# Altium PCB CPU-board-multi-rev.0.1.PcbDoc (part 3 of 3)
Units mil, origin at the board's own origin, x right, y up, seen from the top; angles counter-clockwise.
Board outline 3911 x 2585 mil, 6 copper layers (L1, L2, L3, L4, CommonGND, L5); 321 components, 264 nets, 1048 pads, 397 vias.
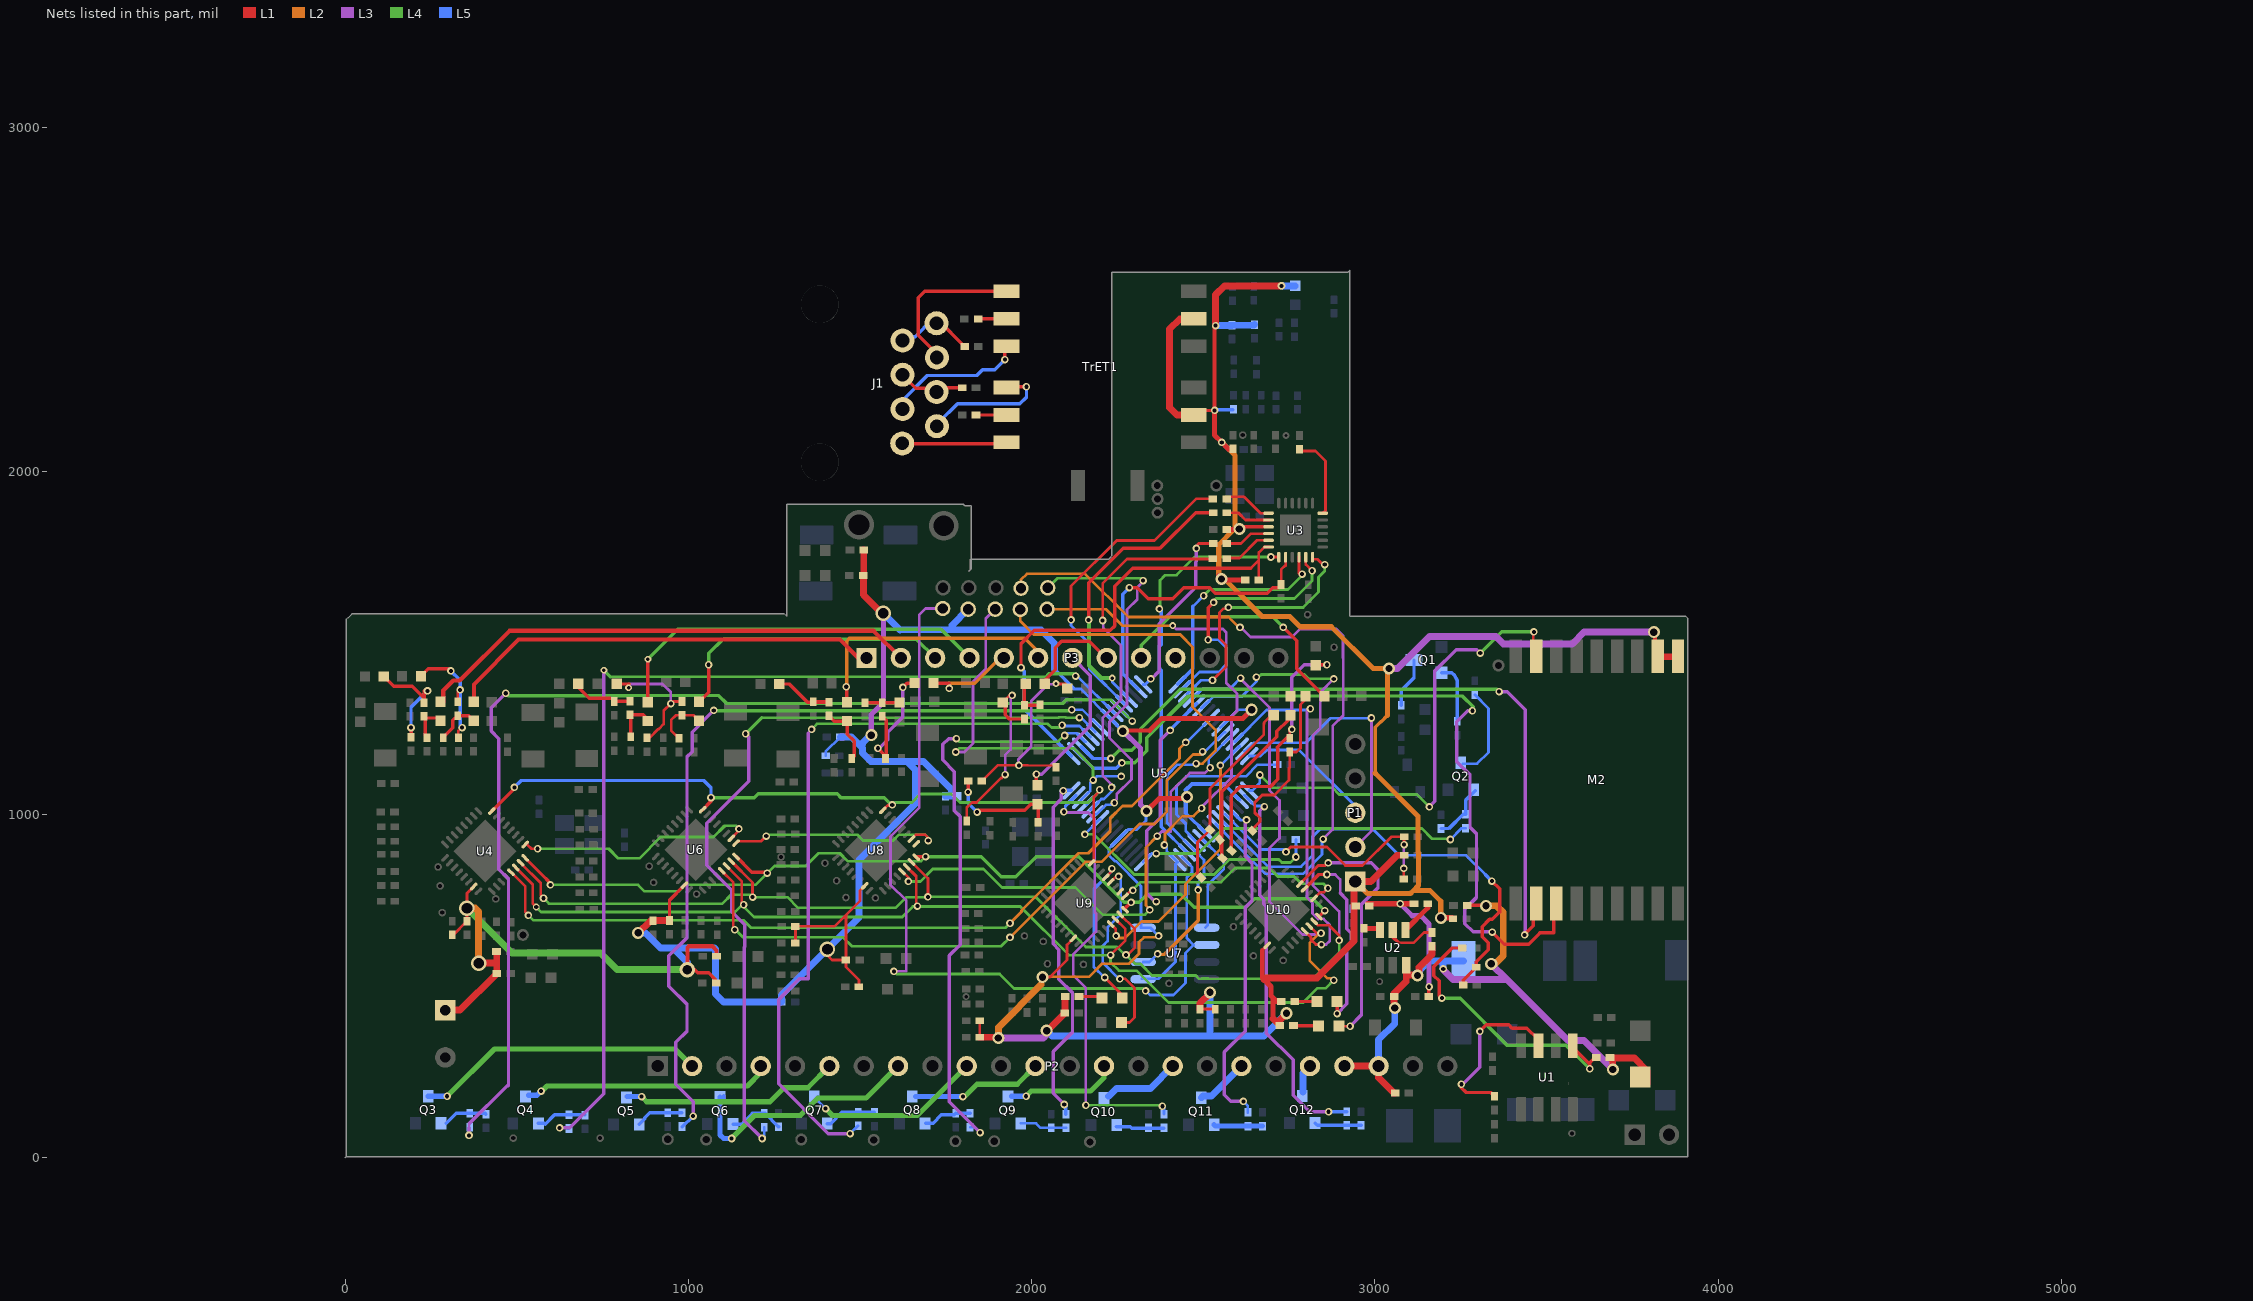
[diagram p7: the nets of this part, all layers, seen from the top]

## Via types
v1: diameter 22, hole 12, L1 to L5, 308 vias
v2: diameter 35, hole 21, L1 to L5, 29 vias
v3: diameter 22, hole 12, L1 to L5, tented top, 20 vias
v4: diameter 20, hole 10, L1 to L5, 14 vias
v5: diameter 45, hole 31, L1 to L5, 7 vias
v6: diameter 50, hole 35, L1 to L5, 4 vias
v7: diameter 25.98, hole 12.99, L1 to L5, tented top, 4 vias
v8: diameter 35, hole 22, L1 to L5, 3 vias
v9: diameter 22, hole 12, L2 to L5, 2 vias
v10: diameter 45, hole 37, L1 to L5, 1 vias
v11: diameter 45, hole 28, L1 to L5, 1 vias
v12: diameter 35, hole 20, L1 to L5, 1 vias
v13: diameter 25, hole 15, L1 to L5, 1 vias
v14: diameter 20, hole 12, L1 to L5, 1 vias
v15: diameter 25, hole 25, L1 to L5, 1 vias

## Nets (pads, with @x,y where several pads share a name; then routed paths per layer and width w, separated by ;. In a path a pad name is that pad's centre, name@x,y a point inside that pad or via, vN(x,y) a via of type N, cw(c..) or ccw(c..) an arc to the next point about the centre after c; other vN are vias at no path point) (continued)
NetD18_2: D18.2 U9.4 | length 553
  L1 w8: U9.4@2230.16,803.25 U9.4@2230.16,803.25 v1@2243,816 ; v1(2253.45,819.31) v1@2259.69,819.31 ; v1(2257,521) 2273,521 2300,494 2300,409 2285,394 D18.2@2262.06,394
  L5 w8: v1(2253.45,819.31) 2260,812.77 2260,710 2222,672 2222,631 2221,631 2207.2,617.2 2207.2,568.8 2255,521 v1(2257,521)
NetD19_1: D19.1 R100.1 | length 62
  L1 w8: R100.1@2138,470 D19.1@2200,470
NetD19_2: D19.2 U9.5 | length 465.1
  L1 w8: v1(2213,525) 2264.06,473.94 D19.2@2264.06,465 ; U9.5@2216.25,817.16 2233,833.92 2233,841 v1(2234,842)
  L5 w8: v1@2212,525 2181,556 2181,782 2234,835 v1(2234,842)
NetD20_1: D20.1 R114.1 | length 72
  L1 w10: R114.1@2764,384 D20.1@2836,384
NetD20_2: D20.2 U10.5 | length 783.1
  L1 w8: U10.5@2781.25,797.16 2835.08,851 2856,851 v1(2864,859) ; D20.2@2896.06,383 v1(2928,383)
  L3 w10: v1(2864,859) 2989,859 3009,839 3009,786 2961,738 2961,416 v1(2928,383)
NetD21_1: D21.1 R113.1 | length 64
  L1 w10: R113.1@2767,455 D21.1@2831,455
NetD21_2: D21.2 U10.4 | length 582.5
  L1 w10: U10.4@2795.16,783.25 2836.92,825 v1(2860,825) ; v1(2890,420) D21.2@2890,454.94
  L3 w8: 2884,825 2898.8,810.2 2898.8,771.2
  L3 w10: v1(2860,825) 2884,825 ; v1(2890,420) 2918,448 2918,614 2931,627 2931,654 2918,667 2918,752 2898.8,771.2
NetJ1_1: J1.1 TrET1.12 | length 308
  L1 w10: J1.1@1620,2080 TrET1.12@1928,2080
NetJ1_2: J1.2 TrET1.10 | length 409.3
  L1 w10: J1.2@1712,2142 J1.2@1728.2,2142 ; TrET1.10@1927,2244 1929,2246 v1(1985,2246)
  L5 w10: J1.2@1712,2142 1730,2142 1784,2196 1966,2196 1985,2215 v1(1985,2246)
NetJ1_3: J1.3 TrET1.9 | length 406.9
  L1 w10: v1(1922,2325) TrET1.9@1922,2359
  L5 w10: J1.3@1624,2181 1624,2207 1695.8,2278.8 1839.8,2278.8 1857,2296 1893,2296 v1(1922,2325)
NetJ1_4: J1.4 J1.5 R27.1 | length 207.1
  L1 w10: J1.5@1612,2292 1662,2242 1711,2242 1712,2243 R27.1@1798,2243
NetJ1_6: J1.6 TrET1.7 | length 445.3
  L1 w10: J1.6@1712,2342 1712,2354 1670,2396 1670,2505 1689,2524 TrET1.7@1927,2524
NetJ1_7: J1.7 J1.8 R34.1 | length 246.4
  L1 w10: J1.8@1711,2442 1726,2442 R34.1@1805,2363
  L5 w10: J1.7@1612,2392 1661,2392 J1.8@1711,2442
NetL4_1: L4.1 P3.1 | length 1271
  L1 w10: P3.1@1495,1456 P3.1@1519,1456
  L1 w12: L4.1@375,1328 375,1379 505.3,1509.3 1441.7,1509.3 P3.1@1495,1456
NetL4_2: L4.2 R40.2 R41.2 | length 134.6
  L1 w10: R40.2@286,1224 286,1224.9 314.2,1253.1 314.2,1274.2 R41.2@328,1288 360,1288 L4.2@375,1273
NetL5_2: L5.2 R41.1 R42.2 | length 359.5
  L1 w8: R41.1@328,1328 328,1356 v1(335,1363) v1@335,1367 ; R42.2@330,1224 330,1243 340,1253 v1(341,1253)
  L1 w10: L5.2@221,1403 242,1424 302,1424 v1(308,1418)
  L5 w8: v1@335,1252 337,1250 340,1253 v1(341,1253)
  L5 w10: v1(308,1418) 335,1391 v1(335,1363) v1@335,1252
NetL7_1: L7.1 P3.2 | length 1470.8
  L1 w12: L7.1@286,1328 286,1361 315,1390 334,1390 479,1535 1540,1535 P3.2@1619,1456
NetL7_2: L7.2 R47.2 R49.2 | length 115.8
  L1 w10: R47.2@239,1224 233,1230 233,1281 278,1281 L7.2@286,1273
NetL8_2: L8.2 R49.1 R50.2 | length 349.4
  L1 w10: L8.2@113,1402 142,1373 196,1373 230,1339 ; v1(192,1253) 192,1256 193,1257 R50.2@193,1226 ; R49.1@230,1326 230,1339 ; v1(240,1360) 230,1360 230,1339
  L5 w10: v1(192,1253) 192,1312 v1(240,1360)
NetL10_1: L10.1 P3.3 | length 852.8
  L1 w10: L10.1@1031,1328 1059,1356 v1@1059,1429
  L4 w10: v1@1059,1429 v1(1059,1436) 1059,1469 1101,1511 1664,1511 P3.3@1719,1456
NetL10_2: L10.2 R55.2 R57.2 | length 156
  L1 w8: R55.2@973,1222 950,1245 950,1275 964,1289 R57.2@981,1289 1015,1289 L10.2@1031,1273
NetL11_2: L11.2 R57.1 R58.2 | length 392.4
  L1 w8: L11.2@792,1380 828,1380 826,1378 v4(826,1369) ; R58.2@879,1223 886.81,1223 912.11,1248.3 912.71,1248.89 913.89,1248.89 928,1263 928,1302 v1(949,1323) 955,1329 R57.1@981,1329
  L3 w8: v4(826,1369) 826,1378 828,1380 925,1380 949,1356 v1(949,1323)
NetL13_1: L13.1 P3.4 | length 1138.1
  L1 w10: L13.1@882,1327 882,1448 886,1452 v4(882,1452)
  L4 w10: v4(882,1452) 969,1539 1736,1539 P3.4@1819,1456
NetL13_2: L13.2 R63.2 R64.2 | length 120.6
  L1 w10: R63.2@832,1228 832,1288 R64.2@830,1290 868,1290 L13.2@882,1276
NetL14_2: L14.2 R64.1 R66.2 | length 163.3
  L1 w10: L14.2@679,1381 679,1371 711,1339 R66.2@774,1339 ; R66.2@785,1330 R64.1@830,1330
NetL16_1: L16.1 P3.5 | length 234.7
  L1 w10: L16.1@1715,1382 1759,1382
  L2 w10: 1759,1382 1834,1382 1908,1456 P3.5@1919,1456
  other v1: 1760,1367
NetL16_2: L16.2 R74.2 R75.2 | length 415.6
  L1 w10: v1@1550,1187 1558,1187 1560,1185 1560,1184 1574,1170 R74.2@1574,1163 ; R75.2@1565,1286 1577,1274 R74.2@1577,1166 ; v1(1625,1370) 1637,1382 L16.2@1658,1382
  L3 w10: v1@1550,1187 1581,1218 1581,1240 1625,1284 v1(1625,1370)
  other v1: 1552,1193
NetL17_2: L17.2 R75.1 R77.2 | length 100
  L1 w10: R77.2@1515,1326 R75.1@1565,1326 L17.2@1615,1326
NetL19_1: L19.1 P3.6 | length 756.3
  L1 w10: v1@1461,1372 1461,1328 L19.1@1462,1327
  L2 w10: v1(1460,1372) 1461,1373 1461,1505 1469,1513 1980,1513 P3.6@2019,1474
NetL19_2: L19.2 R80.2 R82.2 | length 177.4
  L1 w10: R82.2@1410,1287 1425,1272 L19.2@1462,1272 ; L19.2@1463,1271 1463,1234 1483,1214 1483,1170 R80.2@1476,1163
NetL20_2: L20.2 R82.1 R83.2 | length 214.7
  L1 w10: L20.2@1265,1380 1294,1380 1347,1327 1400,1327 R82.1@1401,1328 ; R83.2@1364,1328 R82.1@1401,1328 ; R82.1@1401,1328 1405,1332 1409,1328 R82.1@1401,1328
NetL22_1: L22.1 P3.7 | length 463.9
  L1 w10: L22.1@2014,1088 v1(2014,1117)
  L3 w10: v1(2014,1117) 2030,1117 2171,1258 2171,1404 P3.7@2119,1456
NetL22_2: L22.2 R87.2 R88.2 | length 337.3
  L1 w10: v1(1815,1065) R88.2@1815,1097 ; v1(1841,1007) 1846,1012 1980,1012 1998,1030 L22.2@2017,1030 ; R87.2@2019,977 L22.2@2019,1028
  L5 w10: v1(1815,1065) 1815,1033 v1(1841,1007)
NetL23_2: L23.2 R88.1 R89.2 | length 559.7
  L1 w6: 1989,1143 R89.2@2066,1143
  L1 w8: R88.1@1855,1097 1901,1143 v1(1963,1143) 1989,1143 ; v4(2071,1381) 2073,1379 2074,1380 L23.2@2099,1380
  L3 w8: v1@1961,1143 1961,1160 1999,1198 1999,1331 2047,1379 2073,1379 v4(2071,1381)
NetL25_1: L25.1 P3.8 | length 292.2
  L1 w10: L25.1@2038,1381 2038,1391 2069,1422 2069,1486 2087,1504 2168,1504 P3.8@2216,1456
NetL25_2: L25.2 R92.2 R94.2 | length 101.4
  L1 w10: L25.2@1979,1374 R94.2@1979,1318 2023,1318 R92.2@2024,1319
NetL26_2: L26.2 R94.1 R95.2 | length 555.7
  L1 w8: R95.2@1811,981 1811,1020 1826,1035 1840,1035 1911,1106 1913,1106 v1(1923,1116) ; L26.2@1916,1326 1936,1346 1942,1346 v1(1943,1347)
  L1 w10: L26.2@1923,1319 1923,1290 1935,1278 R94.1@1979,1278
  L3 w8: v1(1923,1116) 1923,1173 1939,1189 1939,1343 v1(1943,1347)
NetL28_1: L28.1 P3.9 | length 748.9
  L1 w10: v1(2733,1545) 2772,1506 2772,1425 L28.1@2853,1344
  L4 w10: P3.9@2319,1456 2319,1493 2402,1576 2702,1576 v1(2733,1545)
NetL28_2: L28.2 R101.2 R103.2 | length 500.7
  L1 w8: R101.2@2642.72,952.28 2642.72,956.72 2665,979 2665,990 2650,1005 2650,1035 2672,1057 2707,1057 2750,1100 2750,1135 2752,1137 R103.2@2752,1182 2772,1182 2783,1193 2783,1320 2798,1335 L28.2@2798,1344
NetL29_2: L29.2 R103.1 R104.2 | length 784.2
  L1 w8: R103.1@2752,1232 2752,1245 2755,1248 v1(2758,1248) ; L29.2@2828,1435 L29.2@2829,1436
  L1 w10: R104.2@2582,894 2581.01,894.99 2581.01,1055.01 2607.5,1081.5 2696.5,1081.5 2717,1102 2717,1194 2715.5,1195.5 R103.1@2752,1232 ; L29.2@2829,1436 v1(2860,1436)
  L3 w10: v1(2758,1248) 2758,1400 2794,1436 v1(2860,1436)
NetL31_1: L31.1
NetL31_2: L31.2 R109.2 R110.2 | length 481.3
  L1 w10: R110.2@2548,927 2554,933 2554,1066 2714,1226 2714,1242 L31.2@2747,1275 ; R110.2@2553.29,921.71 2553.29,874.71 R109.2@2556,872
NetL32_2: L32.2 R110.1 R111.2 | length 573.1
  L1 w8: R111.2@2493.72,816.28 2483.43,826.57 2483.43,919 R110.1@2519.72,955.28 2519.72,1075.72 2676,1232 2676,1266 ; 2677.5,1264.5 2677.5,1267.5 2699,1289 L32.2@2705,1289
NetM1_3: pad.0@2047,1660 U5.43 | length 1103.1
  L3 w8: v1(2241,1034) 2237,1034 2248,1045 2248,1059.17 2291,1102.17 2291,1159 2227,1223 2227,1270 2277.67,1320.67 2277.67,1473.45 2278,1473.77 2278,1597 2308,1627 2308,1662 2326,1680 v1(2325,1681)
  L4 w8: pad.0@2047,1660 2075,1688 2318,1688 v1(2325,1681)
  L5 w8: U5.43@2185.7,1000.29 2188.49,1000.29 2216.2,1028 2235,1028 v1(2241,1034)
NetM1_4: pad.0@1894,1598 U5.46 | length 1101.5
  L3 w8: v1(1779,1182) 1804,1182 1829,1207 1829,1387 1866,1424 1866,1570 pad.0@1894,1598
  L4 w8: v1(1779,1182) 1790,1193 2122,1193 2179,1136 v1(2179,1100)
  L5 w8: U5.46@2143.94,1042.05 2170.5,1068.61 2170.5,1091.5 v1(2179,1100) 2190,1111 v1(2261,1111)
NetM1_5: pad.0@2045,1598 U5.32 U7.5 | length 1767.3
  L3 w8: v4(2411,1550) 2421,1540 2557,1540 2567,1530 2567,1383 2598,1352 2598,1302 2582,1286 2582,1108 2495,1021 v1(2495,1018)
  L2 w8: pad.0@2045,1598 2216,1598 2264,1550 v4(2411,1550) ; v1(2387,911) 2388.8,912.8 2388.8,943.8 2440,995 2472,995 v1(2495,1018) ; v1@2495,1019 v1@2495,1021
  L5 w8: U7.5@2321.48,521 2369,521 2419,571 2419,854.99 U5.32@2425.11,861.1 2394,892.21 2394,905 2393,905 v1(2387,911)
NetM1_6: pad.0@1967,1597 U5.29 U7.6 | length 1735.5
  L2 w8: pad.0@1967,1597 1967,1563 2006,1524 2433,1524 2469,1488 2469,1313 2536.22,1245.78 2536.22,1186.22 2498,1148 v1(2479,1148)
  L2 w10: v9@2375,592 2386,592 2485,691 v1(2485,780)
  L5 w8: U7.6@2325,570 2343,570 v9(2367,594) ; v1@2470,1145 2425,1145 2395,1115 2395,974.73 U5.29@2466.87,902.86 2502,867.73 2502,818 2485,801 v1(2485,780)
NetM1_7: pad.1@1741,1600 U5.31 U7.2 | length 2500.2
  L3 w8: v1(1599,543) 1635,543 1635,749 1589,795 1589,936 1673,1020 1673,1582 1691,1600 pad.1@1741,1600
  L4 w8: v1(1599,543) 1607,535 1907,535 1949,493 2325,493 v1(2332,486)
  L5 w8: v1(2332,486) 2332,487 2345,474 2413,474 2448,509 2448,596 2472,620 2452,640 2452,816.05 2467.48,831.52 2467.48,846.48 U5.31@2439.03,875.02
NetM1_8: pad.0@1969,1659 U5.24 | length 2127
  L3 w8: v1(2607,1545) 2607,1548 2638,1517 2759,1517 2782,1540 2888,1540 2907,1521 2907,1456 2908,1457 2908,1289 2877,1258 2877,956 v1(2849,928)
  L2 w8: pad.0@1969,1659 1969,1684 1986,1701 2156,1701 2282,1575 2574,1575 2604,1545 v1(2607,1545)
  L5 w8: U5.24@2536.47,972.45 2681.92,827 2790,827 2846,883 2846,925 v1(2849,928)
NetM2_11: M2.11 U5.51 | length 2194.4
  L1 w10: v1(3436,649) 3436,650.66 3461.67,676.33 M2.11@3461.67,735
  L3 w10: v1@3361,1357 v1(3362,1358) ; v1@3362,1357 3386,1357 3438,1305 3438,649 v1(3436,649)
  L4 w10: v1(2231,1163) 2255,1187 2292,1187 2316,1211 2316,1248 2433,1365 3355,1365 v1(3362,1358)
  L5 w10: U5.51@2143.94,1197.95 2178.89,1163 v1(2231,1163)
NetM2_12: M2.12 U5.50 | length 2372.4
  L1 w10: v1(3342,657) 3377,622 3448,622 3480,654 3480,655 3521,655 3521,670 ; 3520.72,670.28 M2.12@3520.72,735
  L3 w10: v1(3284,1302) 3271,1302 3239,1270 3239,1154 3277,1116 3277,963 3296,944 3296,758 3262,724 3262,682 3286,658 v1@3341,658
  L4 w8: 2457,1345 3255,1345
  L4 w10: v1(2263,1150) 2300,1150 2335,1185 2335,1223 2457,1345 ; 3255,1345 3286,1314 3286,1304 v1(3284,1302)
  L5 w10: U5.50@2130.02,1184.03 2180.05,1134 2246,1134 2262,1150 v1(2263,1150)
NetP1_2: P1.2 U5.15 | length 805.7
  L3 w8: P1.2@2943,905 2990,952 v1(2990,1281)
  L5 w8: U5.15@2619.98,1184.03 2622.78,1184.03 2647.45,1208.69 2798.69,1208.69 2870,1280 2989,1280 v1(2990,1281)
NetP1_3: P1.3 U5.16 | length 403.4
  L5 w8: U5.16@2633.9,1170.11 2667.11,1170.11 2685,1188 2779,1188 2943,1024 P1.3@2943,1005
NetP2_1: 
NetP2_2: P2.2 Q3.C | length 847.1
  L4 w15: v1(297,179) 435,317 961,317 P2.2@1011,267
  L5 w10: Q3.C@241.85,178.74 Q3.C@242.11,179
  L5 w15: Q3.C@242.11,179 v1(297,179)
NetP2_3: 
NetP2_4: P2.4 Q4.C | length 723.1
  L4 w10: v1(571,194) v1@572,193 ; P2.4@1211,248 P2.4@1211,267
  L4 w15: v1@572,193 588,209 1172,209 P2.4@1211,248
  L5 w15: Q4.C@535.11,182 559,182 v1(571,194)
NetP2_5: 
NetP2_6: P2.6 Q5.C | length 639.3
  L4 w15: v1(864,178) 879,163 1238,163 1279,204 1348,204 P2.6@1411,267
  L5 w15: Q5.C@821,178 v1(864,178)
NetP2_7: 
NetP2_8: P2.8 Q6.C | length 729.4
  L4 w15: v1(1126,56) 1193,123 1326,123 1377,174 1518,174 P2.8@1611,267
  L5 w10: Q6.C@1103,171 Q6.C@1103,180
  L5 w15: Q6.C@1092.6,176.74 1092.6,66.4 1103,56 v1(1126,56)
NetP2_9: 
NetP2_10: P2.10 Q7.C | length 515.1
  L1 w8: P2.10@1809,267 P2.10@1811,267
  L4 w15: v1(1400,143) 1420,123 1667,123 P2.10@1811,267
  L5 w8: Q7.C@1375.85,167.15 v1(1400,143)
NetP2_11: 
NetP2_12: P2.12 Q8.C | length 404.3
  L4 w15: v1(1800,178) 1805,178 1841,214 1958,214 P2.12@2011,267
  L5 w10: P2.12@2011,249 P2.12@2011,267
  L5 w15: Q8.C@1661.59,178 v1(1800,178)
NetP2_13: 
NetP2_14: P2.14 Q9.C | length 326.4
  L4 w15: v1(1984,179) 1999,194 2172,194 2211,233 P2.14@2211,267
  L5 w15: Q9.C@1941,179 v1(1984,179)
NetP2_15: 
NetP2_16: P2.16 Q10.C | length 223.5
  L5 w20: Q10.C@2224,179 2247,202 2346,202 P2.16@2411,267
NetP2_17: 
NetP2_18: P2.18 Q11.C | length 154.8
  L5 w20: Q11.C@2494.4,174.74 2499.66,180 2524,180 P2.18@2611,267
NetP2_19: 
NetP2_20: P2.20 Q12.C | length 85.7
  L1 w10: P2.20@2811,267 P2.20@2812,268
  L5 w20: Q12.C@2791,191 2791,247 P2.20@2811,267
NetP3_10: P3.10
NetQ1_C: Q1.C R10.2 | length 147.3
  L5 w10: R10.2@3077,1318 3077,1361 3114,1398 Q1.C@3114,1450
NetQ1_E: Q1.E R4.1 | length 177.3
  L5 w10: Q1.E@3194,1413 3224,1413 3232,1405 3240,1390 R4.1@3240,1271
NetQ2_B: Q2.B R13.1 R16.1 | length 169.5
  L5 w10: R16.1@3193,959 3215.9,959 3256.9,1000 R13.1@3264,1000 3265,1000 3265,1042 Q2.B@3292.26,1069.26
NetQ2_C: Q2.C R9.1 | length 272.2
  L5 w8: Q2.C@3257,1148 3298,1148 3331,1181 3331,1309 R9.1@3291,1349
NetQ3_B: Q3.B R48.2 R51.2 | length 127.8
  L5 w10: Q3.B@295,100 324,129 R48.2@363,129 408,129 R51.2@410,127
NetQ4_B: Q4.B R54.2 R56.2 | length 144.2
  L5 w10: Q4.B@563,100 581,100 ; 583,98 610,125 R54.2@652,125 R56.2@698,125
NetQ5_B: Q5.B R60.2 R62.2 | length 139.8
  L5 w10: Q5.B@857,97 873.15,113.15 873.15,116.15 888,131 R62.2@940,131 R60.2@981,131
NetQ6_B: Q6.B R65.2 R71.2 | length 162.6
  L5 w10: Q6.B@1130,98 1156,98 1186,128 1186,129 R65.2@1221,129 1223.4,129 1262.4,90 R71.2@1263,90
NetQ7_B: Q7.B R73.2 R76.2 | length 151.2
  L5 w10: Q7.B@1404.4,99.26 1414.26,99.26 1447,132 R76.2@1542,132
NetQ8_B: Q8.B R79.2 R81.2 | length 141.8
  L5 w10: Q8.B@1690.8,101 1713,101 1737,125 1775,125 R81.2@1779,129 R79.2@1821,129
NetQ9_B: Q9.B R91.2 R93.2 | length 136.1
  L5 w8: Q9.B@1969.4,100.26 2012.74,100.26 2026,87 R93.2@2057,87 R91.2@2100,87
NetQ10_B: Q10.B R97.2 R99.2 | length 140.3
  L5 w10: Q10.B@2246.8,91 2247.8,90 2287.41,90 2291.41,86 R97.2@2385,86
NetQ11_B: Q11.B R102.2 R105.2 | length 142.9
  L5 w15: Q11.B@2531.8,96 2535.8,92 R102.2@2630,92 R105.2@2673,92
NetQ12_B: Q12.B R107.2 R108.2 | length 137.1
  L5 w10: Q12.B@2825.8,101 2832.8,94 R107.2@2918,94 R108.2@2960,94
NetR1_1: R1.1 U1.7 | length 505.9
  L1 w10: v1(3252,214) 3252,204 3266,190 3337,190 R1.1@3348,179 ; v1(3306,368) 3325,387 3389.5,387 3399.5,377 3443,377 3474,346 U1.7@3474,324
  L3 w10: v1@3256,214 3306,264 v1(3306,368)
NetR3_1: R3.1 R7.2 U5.23 | length 1363.9
  L1 w10: R3.1@3257,503 3257,516.4 3295,554.4 R7.2@3295,555 3295,571 3312.2,588.2 3312.8,588.2 3330,605.4 3330,626 3312.2,643.8 3312.2,673.2 3334,695 3342,695 3364,717 3364,783 v1(3341,806)
  L5 w8: U5.23@2550.39,986.37 2688.76,848 2785,848 2818,881 2818,935 2840,957 2995,957 3071,881 3266,881 3322,825
  L5 w10: 3322,825 v1(3341,806)
NetR5_2: R5.2 R6.2 U1.5 | length 839.8
  L1 w10: v1@3195,464 3187,472 3187,515 3172,530 3172,557 3226,611 R6.2@3255,611 ; U1.5@3574,324 3626,272 ; v1(3626,259) 3626,272 ; R5.2@3643,294 3626,277 3626,272
  L4 w10: v1@3195,464 3195.5,464.5 3248.5,464.5 3386,327 3558,327 v1(3626,259)
  other v1: 3195,465
NetR12_1: R12.1 R15.2 U5.22 | length 753.5
  L1 w8: v1(2741,891) 2755,905 2860,905 2914,851 2964,851 3048,935 R12.1@3085,935 v1(3085,912) ; R15.2@3084,812 v1(3084,843)
  L3 w8: v1(3084,843) 3084,911 v1(3085,912)
  L5 w8: U5.22@2564.3,1000.29 2666.6,898 2736,898 2741,893 v1(2741,891)
NetR13_2: R13.2 U5.33 | length 1005.8
  L4 w8: v1(2363,886) 2485,886 2558,959 3137,959 3167,929 v1@3220,929
  L5 w8: U5.33@2324.89,861.1 2349.79,886 v1(2363,886) ; v1(3220,927) 3253,960 R13.2@3264,960
NetR14_2: R14.2 U2.6 | length 42
  L1 w15: R14.2@2968,668 U2.6@3009.96,668
NetR17_1: R17.1 U2.5 | length 153.8
  L1 w8: 3069,626 3113,626 3143,656
  L1 w10: U2.5@3052,663.36 3052,643 3069,626 ; 3143,656 R17.1@3166,656
NetR18_1: R18.1 R19.2 R21.2 | length 454.9
  L1 w10: R21.2@3157,470 3157,497 v1(3158,498)
  L1 w15: R19.2@2979,740 v1(3074,740) R18.1@3114,740
  L3 w15: v1(3074,740) 3109,705 3134,705 3158,681 v1(3158,498)
NetR18_2: R18.2 U2.4 | length 91.4
  L1 w15: U2.4@3089.4,663.36 3154,727.96
NetR22_1: R22.1 U3.12 U5.49 | length 1366.4
  L1 w8: 2638,1717 2662,1741 ; R22.1@2662,1683 2662,1741 ; U3.12@2690.47,1779.05 2678.05,1779.05 2662,1763 2662,1741
  L1 w10: v1(1969,1428) 1969,1497 2008,1536 2229,1536 2242,1549 2242,1665 2294,1717 2638,1717
  L5 w10: v1(1969,1428) 1968,1428 1979,1417 1979,1307.21 U5.49@2116.1,1170.11
NetR28_2: R28.2 TrET1.11 | length 89
  L1 w8: R28.2@1838,2164 TrET1.11@1927,2164
NetR29_1: R29.1 U3.8 | length 130.3
  L1 w8: R29.1@2569,1879 2602,1879 2623.21,1857.79 U3.8@2690.47,1857.79
NetR29_2: R29.2 U5.61 | length 851.4
  L1 w10: v1(2166,1567) 2167,1568 2167,1675 2267,1775 2374,1775 2478,1879 R29.2@2529,1879
  L4 w12: v1(2166,1567) 2167,1566 2167,1434 2204,1397 v4(2235,1397)
  L5 w8: v4(2235,1397) 2235,1385.27 U5.61@2283.13,1337.14
NetR30_1: R30.1 U3.7 | length 140.9
  L1 w8: R30.1@2569.5,1925.5 2618.5,1925.5 2666.53,1877.47 U3.7@2690.47,1877.47
NetR30_2: R30.2 U5.60 | length 925.9
  L1 w8: v1(2115,1567) 2115,1665 2248,1798 2358,1798 2480,1920 2524,1920 R30.2@2528,1924
  L5 w8: v1(2115,1567) 2115,1551 2168,1498 2168,1424.44 U5.60@2269.21,1323.22
NetR31_1: R31.1 U3.11 | length 141.9
  L1 w8: R31.1@2570,1747 2605,1747 2656.73,1798.73 U3.11@2690.47,1798.73
NetR31_2: R31.2 U5.44 | length 1118.9
  L1 w8: v1(2207,1565) 2207,1673 2278,1744 R31.2@2527,1744
  L3 w8: v1(2207,1565) 2209,1563 2209,1543 2260.33,1491.67 2260.33,1334.33 2207,1281 2207,1113 2239,1081 2237,1079 v1(2233,1079)
  L5 w8: U5.44@2171.78,1014.21 2172.21,1014.21 2203.2,1045.2 2211.2,1045.2 2234.5,1068.5 2234.5,1077.5 v1@2236,1079 ; v1(2233,1079) v1@2236,1079 ; v1@2236,1079 v1@2239,1082 ; v1@2236,1079 2237,1079 2239,1081 v1@2239,1082 ; v1@2239,1082 2239,1084 2240,1083 v1@2239,1082
NetR32_1: R32.1 U3.10 | length 133.1
  L1 w8: R32.1@2569,1789 2610,1789 2639,1818 U3.10@2690.05,1818
NetR32_2: R32.2 U5.64 | length 513.8
  L1 w8: v1(2480,1775) 2480,1782 2487,1789 2516,1789
  L3 w8: v1@2347,1393 v1(2347,1395)